# Altium PCB Graviton-RB1.PcbDoc (part 6 of 11)
Units mil, origin at the board's own origin, x right, y up, seen from the top; angles counter-clockwise.
Board outline 7874.02 x 7874.02 mil, 10 copper layers (Top Layer, Internal Plane 1, Signal Layer 1, Internal Plane 2, Signal Layer 2, Signal Layer 3, Internal Plane 3, Signal Layer 4, Internal Plane 4, Bottom Layer), stack 65.914 mil thick; 1299 components, 1517 nets, 7968 pads, 1791 vias.
Unrouted connection lines stored in the file: 4618.
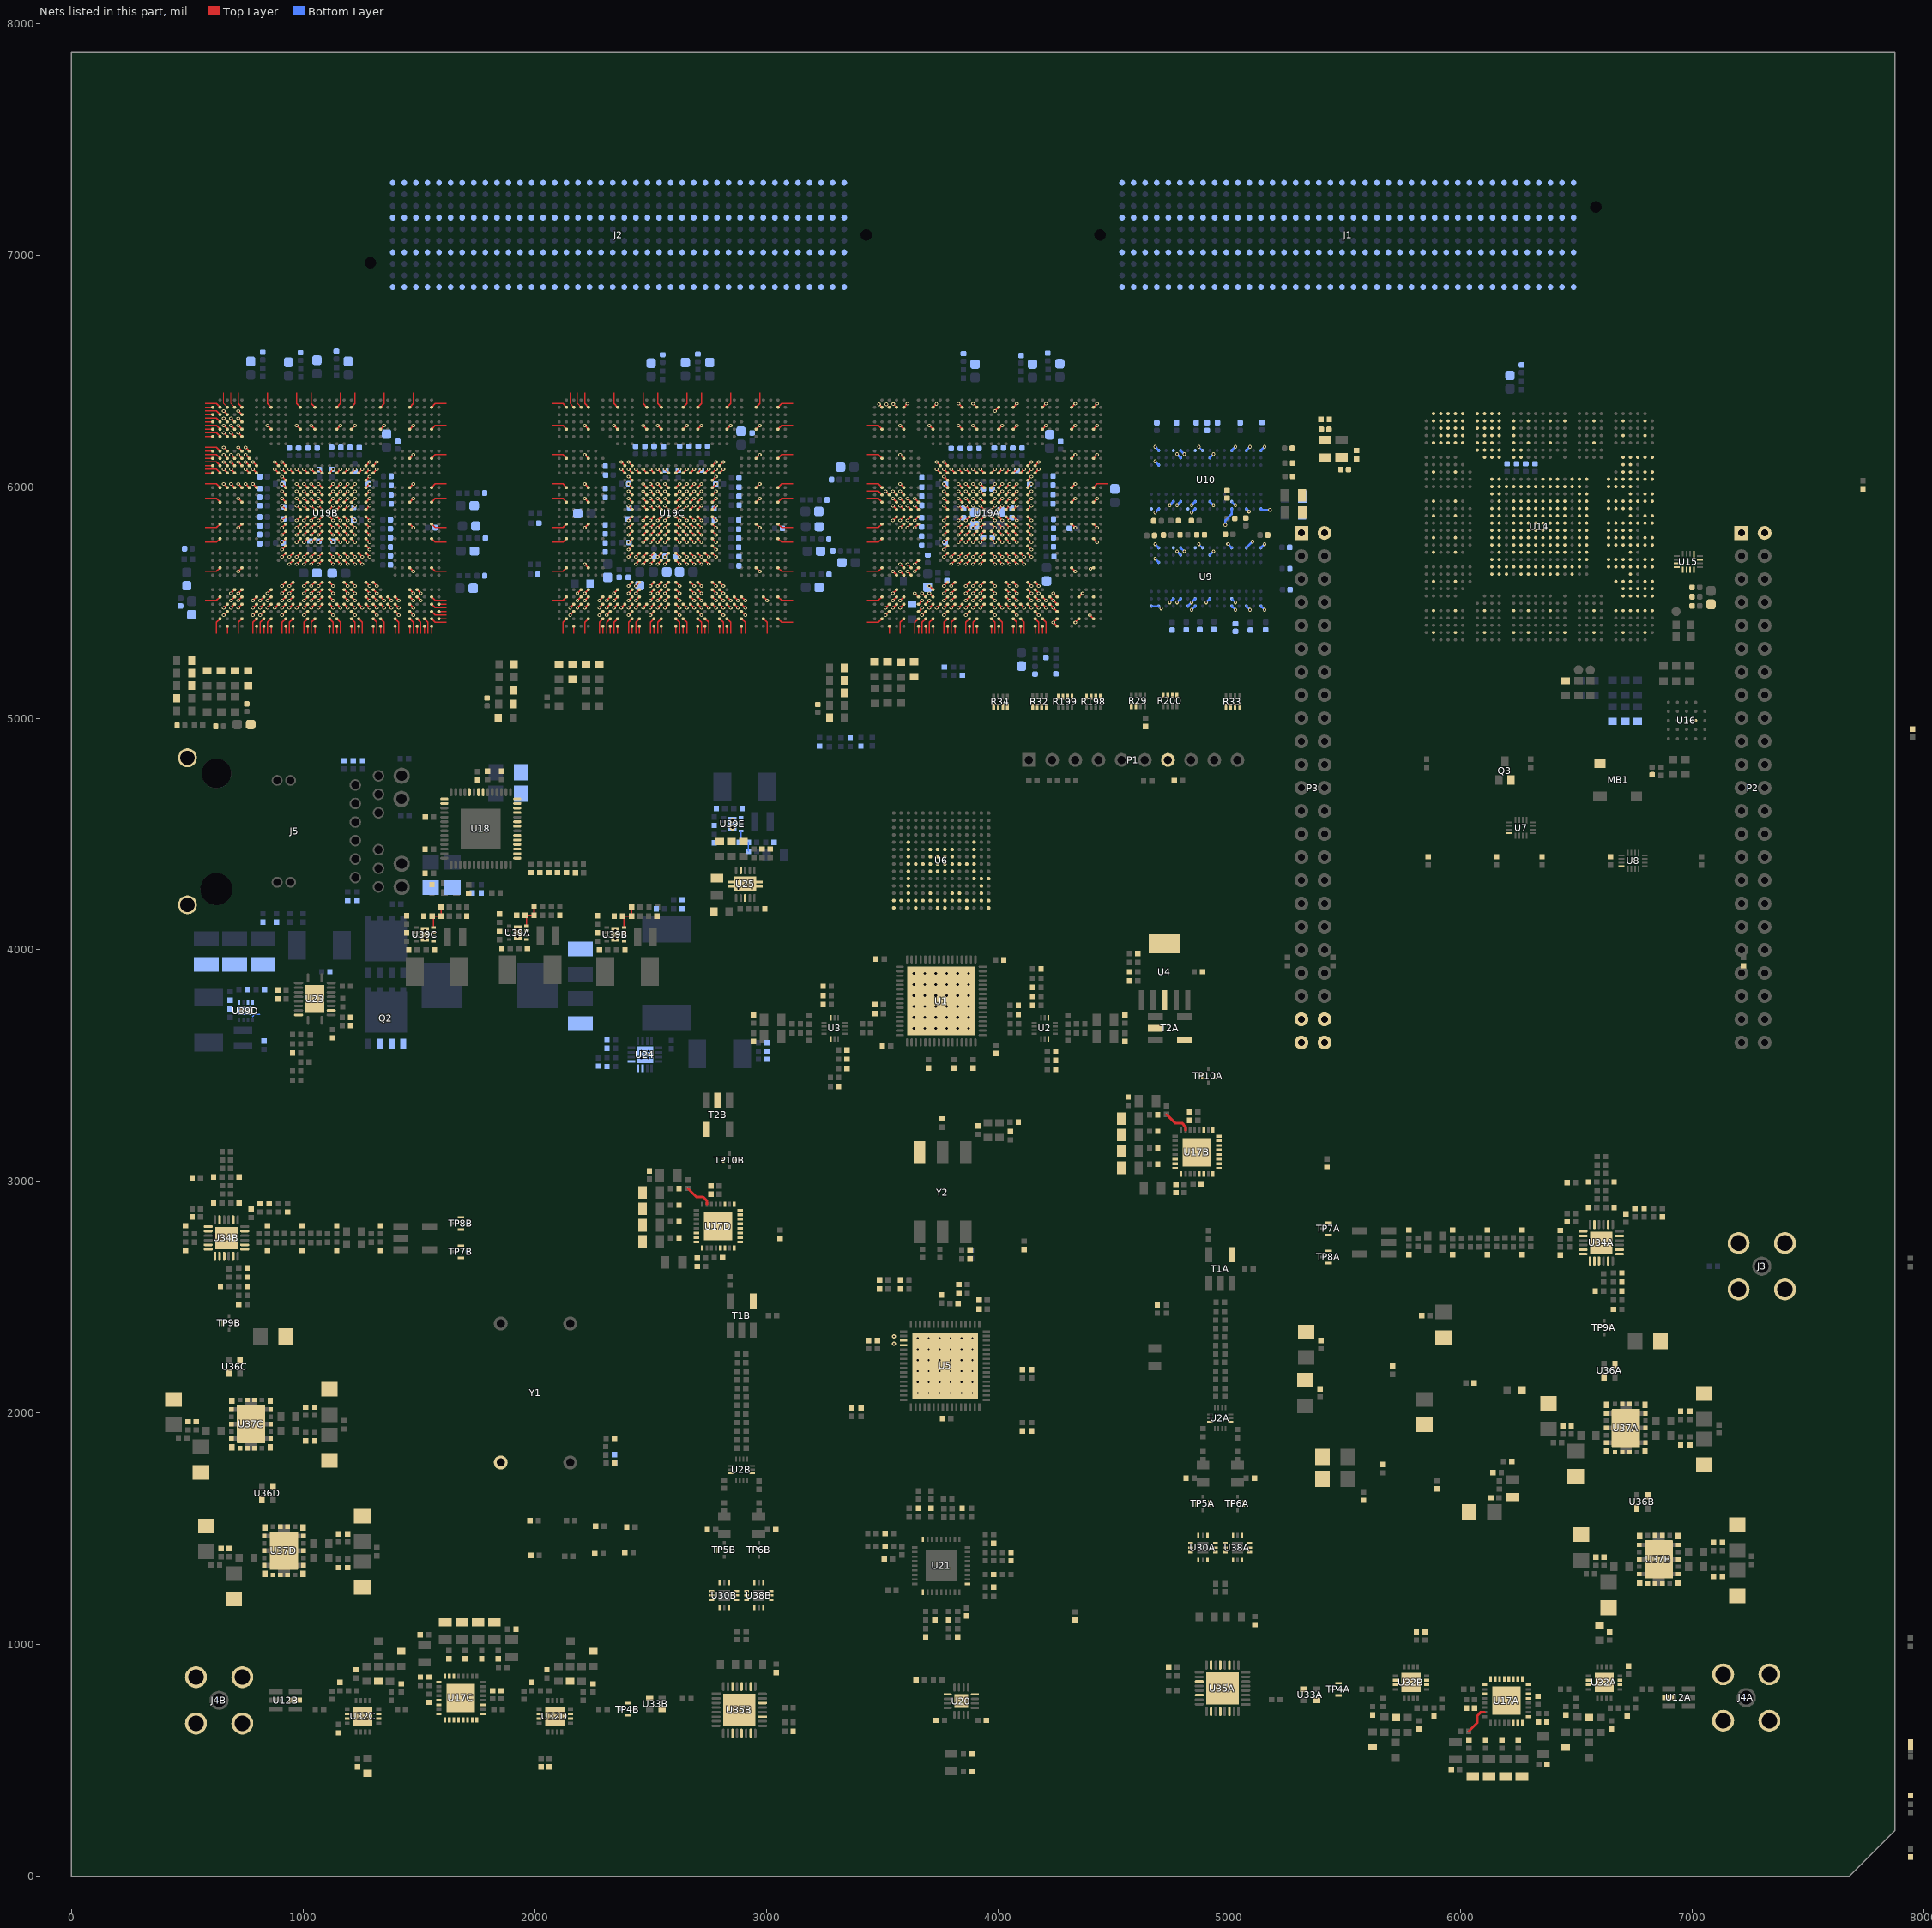
[diagram p14: the nets of this part, all layers, seen from the top]

## Via types
v1: diameter 16, hole 8, Top Layer to Bottom Layer, 1443 vias
v2: diameter 16, hole 8, Top Layer to Bottom Layer, tented top, 173 vias
v3: diameter 18, hole 8, Top Layer to Bottom Layer, 86 vias
v4: diameter 25.98, hole 8, Top Layer to Bottom Layer, tented top, 36 vias
v5: diameter 25.98, hole 12, Top Layer to Bottom Layer, tented top, 36 vias
v6: diameter 23.62, hole 11.81, Top Layer to Bottom Layer, 10 vias
v7: diameter 18, hole 8, Top Layer to Bottom Layer, tented bottom, 5 vias
v8: diameter 16, hole 8, Top Layer to Bottom Layer, tented both sides, 2 vias

## Nets (pads, with @x,y where several pads share a name; then routed paths per layer and width w, separated by ;. In a path a pad name is that pad's centre, name@x,y a point inside that pad or via, vN(x,y) a via of type N, cw(c..) or ccw(c..) an arc to the next point about the centre after c; other vN are vias at no path point) (continued)
DDRCC7.S3B: U19B.C3 | length 22.3
  Top Layer w5: v1(657.48,6326.77) U19B.C3@673.23,6311.02
DDRCC7.S4B: U19B.D4 | length 22.3
  Top Layer w5: v1(688.98,6295.28) U19B.D4@704.72,6279.53
DDRCC7.S5B: U19B.E4 | length 22.3
  Top Layer w5: v1(688.98,6263.78) U19B.E4@704.72,6248.03
DDRCC7.S6B: U19B.F4 | length 22.3
  Top Layer w5: v1(688.98,6232.28) U19B.F4@704.72,6216.54
DDRCC7.S7B: U19B.F5 | length 22.3
  Top Layer w5: v1(720.47,6232.28) U19B.F5@736.22,6216.54
DDRCC7.S8B: U19B.B1 | length 32.1
  Top Layer w4.72: 578.15,6342.52 U19B.B1@610.24,6342.52
DDRCC7.S9B: U19B.C2 | length 70.1
  Top Layer w4.72: 578.15,6326.77 625.98,6326.77 U19B.C2@641.73,6311.02
DDRCC7.S10B: U19B.D3 | length 22.3
  Top Layer w5: v1(657.48,6295.28) U19B.D3@673.23,6279.53
DDRCC7.S11B: U19B.D2 | length 70.1
  Top Layer w4.72: 578.15,6295.28 625.98,6295.28 U19B.D2@641.73,6279.53
DDRCC7.S12B: U19B.F3 | length 22.3
  Top Layer w5: v1(657.48,6232.28) U19B.F3@673.23,6216.54
DDRCC7.S13B: U19B.E3 | length 22.3
  Top Layer w5: v1(657.48,6263.78) U19B.E3@673.23,6248.03
DDRCC7.S14B: U19B.C1 | length 32.1
  Top Layer w4.72: 578.15,6311.02 U19B.C1@610.24,6311.02
DDRCC7.S15B: U19B.D1 | length 32.1
  Top Layer w4.72: 578.15,6279.53 U19B.D1@610.24,6279.53
DDRCC7.S16B: U19B.F2 | length 70.1
  Top Layer w4.72: 578.15,6232.28 625.98,6232.28 U19B.F2@641.73,6216.54
DDRCC7.S17B: U19B.E1 | length 32.1
  Top Layer w4.72: 578.15,6248.03 U19B.E1@610.24,6248.03
DDRCC7.S18B: U19B.F1 | length 32.1
  Top Layer w4.72: 578.15,6216.54 U19B.F1@610.24,6216.54
DDRCC7.S19B: U19B.H1 | length 32.1
  Top Layer w4.72: 578.15,6153.54 U19B.H1@610.24,6153.54
DDRCC7.S20B: U19B.H2 | length 70.1
  Top Layer w4.72: 578.15,6169.29 625.98,6169.29 U19B.H2@641.73,6153.54
DDRCC7.S21B: U19B.H3 | length 22.3
  Top Layer w5: v1(657.48,6169.29) U19B.H3@673.23,6153.54
DDRCC7.S22B: U19B.J3 | length 22.3
  Top Layer w5: v1(657.48,6137.8) U19B.J3@673.23,6122.05
DDRCC7.S23B: U19B.K3 | length 22.3
  Top Layer w5: v1(657.48,6106.3) U19B.K3@673.23,6090.55
DDRCC7.S24B: U19B.K2 | length 70.1
  Top Layer w4.72: 578.15,6106.3 625.98,6106.3 U19B.K2@641.73,6090.55
DDRCC7.S25B: U19B.J1 | length 32.1
  Top Layer w4.72: 578.15,6122.05 U19B.J1@610.24,6122.05
DDRCC7.S26B: U19B.K1 | length 32.1
  Top Layer w4.72: 578.15,6090.55 U19B.K1@610.24,6090.55
DDRCC7.S27B: U19B.L1 | length 32.1
  Top Layer w4.72: 578.15,6059.06 U19B.L1@610.24,6059.06
DDRCC7.S28B: U19B.L2 | length 70.1
  Top Layer w4.72: 578.15,6074.8 625.98,6074.8 U19B.L2@641.73,6059.06
DDRCC7.S29B: U19B.L3 | length 22.3
  Top Layer w5: v1(657.48,6074.8) U19B.L3@673.23,6059.06
DDRCC7.S30B: U19B.J4 | length 22.3
  Top Layer w5: v1(688.98,6137.8) U19B.J4@704.72,6122.05
DDRCC7.S31B: U19B.K4 | length 22.3
  Top Layer w5: v1(688.98,6106.3) U19B.K4@704.72,6090.55
DDRCC7.S32B: U19B.H6 | length 22.3
  Top Layer w5: v1(751.97,6169.29) U19B.H6@767.72,6153.54
DDRCC7.S33B: U19B.H5 | length 22.3
  Top Layer w5: v1(720.47,6169.29) U19B.H5@736.22,6153.54
DDRCC7.S34B: U19B.J6 | length 22.3
  Top Layer w5: v1(751.97,6137.8) U19B.J6@767.72,6122.05
DDRCC7.S35B: U19B.K6 | length 22.3
  Top Layer w5: v1(751.97,6106.3) U19B.K6@767.72,6090.55
DDRCC7.S36B: U19B.K7 | length 22.3
  Top Layer w5: v1(783.46,6106.3) U19B.K7@799.21,6090.55
DDRCC7.S37B: U19B.K5 | length 22.3
  Top Layer w5: v1(720.47,6106.3) U19B.K5@736.22,6090.55
DDRCC7.S38B: U19B.L4 | length 22.3
  Top Layer w5: v1(688.98,6074.8) U19B.L4@704.72,6059.06
DDRCC7.S39B: U19B.N3 | length 22.3
  Top Layer w5: v1(657.48,6011.81) U19B.N3@673.23,5996.06
DDRCC7.S40B: U19B.N4 | length 22.3
  Top Layer w5: v1(688.98,6011.81) U19B.N4@704.72,5996.06
DDRCC7.S41B: U19B.L7 | length 22.3
  Top Layer w5: v1(783.46,6074.8) U19B.L7@799.21,6059.06
DDRCC7.S42B: U19B.L6 | length 22.3
  Top Layer w5: v1(751.97,6074.8) U19B.L6@767.72,6059.06
DDRCC7.S43B: U19B.N6 | length 22.3
  Top Layer w5: v1(751.97,6011.81) U19B.N6@767.72,5996.06
DDRCC7.S44B: U19B.N7 | length 22.3
  Top Layer w5: v1(783.46,6011.81) U19B.N7@799.21,5996.06
DDRCC7.S45B: U19B.C5 | length 22.3
  Top Layer w5: v1(720.47,6326.77) U19B.C5@736.22,6311.02
DDRCC7.S46B: U19B.D5 | length 22.3
  Top Layer w5: v1(720.47,6295.28) U19B.D5@736.22,6279.53
DDRVREF: C127.2 C128.2 C133.2 C136.2 C148.2 C150.2 R36.1 R113.2 U9.H1 U9.M8 U10.H1 U10.M8
  other v2: 5026,5499.75 4868.5,5751.75 5026,5919.75 4868.5,6171.75
DDRVTT: C134.2 C137.2 R29.5 R29.6 R32.5 R32.6 R32.7 R32.8 R33.5 R33.6 R33.7 R33.8 R34.5 R34.6 R34.7 R34.8 R36.2 R37.1 R198.5 R198.6 R198.7 R198.8 R199.5 R199.6 R199.7 R199.8 R200.5 R200.6 R200.7 R200.8
DSA-CTRL0.D3: FB9A.2 U19B.AM28 | length 32.1
  Top Layer w4.72: 1460.63,5365.55 U19B.AM28@1460.63,5397.64
DSA-CTRL0.D4: FB8A.2 U19B.AM29 | length 32.1
  Top Layer w4.72: 1492.13,5365.55 U19B.AM29@1492.13,5397.64
DSA-CTRL0.D5: FB7A.2 U19B.AL28 | length 70.1
  Top Layer w4.72: U19B.AL28@1460.63,5429.13 1476.38,5413.39 1476.38,5365.55
DSA-CTRL0.D6: FB6A.2 U19B.AK28 | length 22.3
  Top Layer w5: U19B.AK28@1460.63,5460.63 v1(1476.38,5444.88)
DSA-CTRL1.D3: FB9B.2 U19B.AK32 | length 32.1
  Top Layer w4.72: U19B.AK32@1586.61,5460.63 1618.7,5460.63
DSA-CTRL1.D4: FB8B.2 U19B.AJ32 | length 32.1
  Top Layer w4.72: U19B.AJ32@1586.61,5492.13 1618.7,5492.13
DSA-CTRL1.D5: FB7B.2 U19B.AM30 | length 32.1
  Top Layer w4.72: 1523.62,5365.55 U19B.AM30@1523.62,5397.64
DSA-CTRL1.D6: FB6B.2 U19B.AL30 | length 70.1
  Top Layer w4.72: U19B.AL30@1523.62,5429.13 1539.37,5413.39 1539.37,5365.55
DSA-CTRL2.D3: FB9C.2 U19B.AK31 | length 70.1
  Top Layer w4.72: U19B.AK31@1555.12,5460.63 1570.87,5444.88 1618.7,5444.88
DSA-CTRL2.D4: FB8C.2 U19B.AJ31 | length 70.1
  Top Layer w4.72: U19B.AJ31@1555.12,5492.13 1570.87,5476.38 1618.7,5476.38
DSA-CTRL2.D5: FB7C.2 U19B.AM31 | length 32.1
  Top Layer w4.72: 1555.12,5365.55 U19B.AM31@1555.12,5397.64
DSA-CTRL2.D6: FB6C.2 U19B.AL32 | length 32.1
  Top Layer w4.72: U19B.AL32@1586.61,5429.13 1618.7,5429.13
DSA-CTRL3.D3: FB9D.2 U19B.AG28 | length 22.3
  Top Layer w5: U19B.AG28@1460.63,5555.12 v1(1476.38,5539.37)
DSA-CTRL3.D4: FB8D.2 U19B.AG29 | length 22.3
  Top Layer w5: U19B.AG29@1492.13,5555.12 v1(1507.87,5539.37)
DSA-CTRL3.D5: FB7D.2 U19B.AJ28 | length 22.3
  Top Layer w5: U19B.AJ28@1460.63,5492.13 v1(1476.38,5476.38)
DSA-CTRL3.D6: FB6D.2 U19B.AH28 | length 22.3
  Top Layer w5: U19B.AH28@1460.63,5523.62 v1(1476.38,5507.87)
ENET2-DDRCC6.S0: U18.46 U19A.P5 | length 22.3
  Top Layer w5: v1(3578.74,5980.32) U19A.P5@3594.49,5964.57
ENET2-DDRCC6.S1: U19A.P4 | length 22.3
  Top Layer w5: v1(3547.24,5980.32) U19A.P4@3562.99,5964.57
ENET2-DDRCC6.S2: U18.43 U19A.R7 | length 22.3
  Top Layer w5: v1(3641.73,5948.82) U19A.R7@3657.48,5933.07
ENET2-DDRCC6.S3: U18.44 U19A.T7 | length 22.3
  Top Layer w5: v1(3641.73,5917.32) U19A.T7@3657.48,5901.57
ENET2-DDRCC6.S4: U18.45 U19A.R6 | length 22.3
  Top Layer w5: v1(3610.24,5948.82) U19A.R6@3625.98,5933.07
ENET2-DDRCC6.S5: U18.47 U19A.T6 | length 22.3
  Top Layer w5: v1(3610.24,5917.32) U19A.T6@3625.98,5901.57
ENET2-DDRCC6.S6: U18.48 U19A.U6 | length 22.3
  Top Layer w5: v1(3610.24,5854.33) U19A.U6@3625.98,5870.08
ENET2-DDRCC6.S7: U18.50 U19A.U7 | length 22.3
  Top Layer w5: v1(3641.73,5854.33) U19A.U7@3657.48,5870.08
ENET2-DDRCC6.S8: U18.51 U19A.R4 | length 22.3
  Top Layer w5: v1(3547.24,5948.82) U19A.R4@3562.99,5933.07
ENET2-DDRCC6.S9: U18.53 U19A.T5 | length 22.3
  Top Layer w5: v1(3578.74,5917.32) U19A.T5@3594.49,5901.57
ENET2-DDRCC6.S10: U18.54 U19A.T4 | length 22.3
  Top Layer w5: v1(3547.24,5917.32) U19A.T4@3562.99,5901.57
ENET2-DDRCC6.S11: U18.55 U19A.U5 | length 22.3
  Top Layer w5: v1(3578.74,5854.33) U19A.U5@3594.49,5870.08
ENET2-DDRCC6.S12: U18.56 U19A.U4 | length 22.3
  Top Layer w5: v1(3547.24,5854.33) U19A.U4@3562.99,5870.08
ENET2-DDRCC6.S13: U18.16 U19A.V6 | length 22.3
  Top Layer w5: v1(3610.24,5822.83) U19A.V6@3625.98,5838.58
ENET2-DDRCC6.S14: R66.1 U18.8 U19A.V7 | length 22.3
  Top Layer w5: v1(3641.73,5822.83) U19A.V7@3657.48,5838.58
ENET2-DDRCC6.S15: U18.7 U19A.P2 | length 70.1
  Top Layer w4.72: 3436.42,5980.32 3484.25,5980.32 U19A.P2@3500,5964.57
ENET2-DDRCC6.S16: U18.15 U19A.P3 | length 22.3
  Top Layer w5: v1(3515.75,5980.32) U19A.P3@3531.5,5964.57
ENET2-DDRCC6.S41: U19A.AC7 | length 22.3
  Top Layer w5: v1(3641.73,5665.35) U19A.AC7@3657.48,5681.1
ENET2-DDRCC6.S42: U19A.AD7 | length 22.3
  Top Layer w5: v1(3641.73,5633.86) U19A.AD7@3657.48,5649.61
ENET2-DDRCC6.S43: U19A.AD6 | length 22.3
  Top Layer w5: v1(3610.24,5665.35) U19A.AD6@3625.98,5649.61
ENET2-DDRCC6.S44: U19A.AE6 | length 22.3
  Top Layer w5: v1(3610.24,5633.86) U19A.AE6@3625.98,5618.11
ENET2-DDRCC6.S45: U19A.AE5 | length 22.3
  Top Layer w5: v1(3578.74,5633.86) U19A.AE5@3594.49,5618.11
ENET2-DDRCC6.S46: U19A.AE4 | length 22.3
  Top Layer w5: v1(3547.24,5633.86) U19A.AE4@3562.99,5618.11
FBA: C365.1 R115.1 R117.2 U39A.4 | length 118.7
  Top Layer w5.98: R117.2@1958.86,4149.61 R115.1@1997.83,4149.61 C365.1@1997.83,4188.98 ; U39A.4@1965.12,4102.99 R117.2@1965.12,4143.35
FBB: C377.2 R122.2 R124.1 U39B.4 | length 125.2
  Top Layer w5.98: R124.1@2380.12,4145.67 R122.2@2419.09,4145.67 C377.2@2419.09,4185.04 ; U39B.4@2386.38,4096.1 R124.1@2386.38,4142.95
FBC: C364.1 R114.1 R116.2 U39C.4 | length 121.7
  Top Layer w5.98: R116.2@1557.28,4145.67 R114.1@1596.26,4145.67 C364.1@1596.26,4185.04 ; U39C.4@1563.54,4096.1 R116.2@1563.54,4139.41
FBD: C378.1 R123.1 R126.2 U39D.4 | length 35.4
  Bottom Layer w5.98: 782.13,3712.05 791.97,3721.89 813.43,3721.89
FBE: C328.1 R88.1 R90.2 U39E.4 | length 119.9
  Bottom Layer w5.98: R90.2@2884.06,4464.57 R88.1@2923.03,4464.57 C328.1@2923.03,4425.2 ; R90.2@2891.73,4472.24 U39E.4@2891.73,4513.78
FPGA-CLK0_N: U13.14 U19C.B4 | length 70.1
  Top Layer w2.99: 2185.04,6406.1 2185.04,6358.27 U19C.B4@2200.79,6342.52
FPGA-CLK0_P: U13.15 U19C.B3 | length 70.1
  Top Layer w2.99: 2153.54,6406.1 2153.54,6358.27 U19C.B3@2169.29,6342.52
FPGA-CLK1_N: U13.11 U19B.B4 | length 70.1
  Top Layer w2.99: 688.98,6406.1 688.98,6358.27 U19B.B4@704.72,6342.52
FPGA-CLK1_P: U13.12 U19B.B3 | length 70.1
  Top Layer w2.99: 657.48,6406.1 657.48,6358.27 U19B.B3@673.23,6342.52
FPGA-CLK2_N: U13.9 U19A.B4 | length 19.8
  Top Layer w2.99: v1(3549,6356.51) U19A.B4@3562.99,6342.52
FPGA-CLK2_P: U13.10 U19A.B3 | length 17.6
  Top Layer w2.99: v1(3519.02,6355) U19A.B3@3531.5,6342.52
FPGA-CLK-SRC_N: U5.52 U13.1
  other v3: 3551.18,2299.21
FPGA-CLK-SRC_P: U5.51 U13.4
  other v3: 3551.18,2330.71
FPGA-JTAG-TCK-3V3: U14.AK5 U15.9
FPGA-JTAG-TDI-3V3: U14.AJ5 U15.11
FPGA-JTAG-TDO-3V3: R42.1 U14.AG5 U15.12
FPGA-JTAG-TMS-3V3: U14.AM5 U15.10
FPGA-JTAG.TDIA: R70A.1 R71B.1 U19A.AJ5 U19B.AG5 | length 44.5
  Top Layer w5: v1(720.47,5539.37) U19B.AG5@736.22,5555.12 ; v1(3578.74,5476.38) U19A.AJ5@3594.49,5492.13
FPGA-JTAG.TDIB: R70B.1 R71C.1 U19B.AJ5 U19C.AG5 | length 44.5
  Top Layer w5: v1(720.47,5476.38) U19B.AJ5@736.22,5492.13 ; v1(2216.54,5539.37) U19C.AG5@2232.28,5555.12
FPGA-JTAG.TDO: R70C.1 U15.1 U19C.AJ5 | length 22.3
  Top Layer w5: v1(2216.54,5476.38) U19C.AJ5@2232.28,5492.13
FPGACFG0.CCLK: R76C.2 U14.C30 U19C.AM3 | length 32.1
  Top Layer w4.72: 2169.29,5365.55 U19C.AM3@2169.29,5397.64
FPGACFG0.DI: U14.D29 U19C.AJ3 | length 22.3
  Top Layer w5: v1(2153.54,5476.38) U19C.AJ3@2169.29,5492.13
FPGACFG0.DONE: U14.C29 U19C.AJ4 | length 22.3
  Top Layer w5: v1(2185.04,5476.38) U19C.AJ4@2200.79,5492.13
FPGACFG0.DOUT: U14.E29 U19C.AK3 | length 22.3
  Top Layer w5: v1(2153.54,5444.88) U19C.AK3@2169.29,5460.63
FPGACFG0.INITN: R67C.1 U14.D28 U19C.AG4 | length 22.3
  Top Layer w5: v1(2185.04,5539.37) U19C.AG4@2200.79,5555.12
FPGACFG0.PROGN: R69C.1 U14.C28 U19C.AH4 | length 22.3
  Top Layer w5: v1(2185.04,5507.87) U19C.AH4@2200.79,5523.62
FPGACFG1.CCLK: R76B.2 U14.C31 U19B.AM3 | length 32.1
  Top Layer w4.72: 673.23,5365.55 U19B.AM3@673.23,5397.64
FPGACFG1.DI: U14.D30 U19B.AJ3 | length 22.3
  Top Layer w5: v1(657.48,5476.38) U19B.AJ3@673.23,5492.13
FPGACFG1.DONE: U14.B32 U19B.AJ4 | length 22.3
  Top Layer w5: v1(688.98,5476.38) U19B.AJ4@704.72,5492.13
FPGACFG1.DOUT: U14.D31 U19B.AK3 | length 22.3
  Top Layer w5: v1(657.48,5444.88) U19B.AK3@673.23,5460.63
FPGACFG1.INITN: R67B.1 U14.F28 U19B.AG4 | length 22.3
  Top Layer w5: v1(688.98,5539.37) U19B.AG4@704.72,5555.12
FPGACFG1.PROGN: R69B.1 U14.F29 U19B.AH4 | length 22.3
  Top Layer w5: v1(688.98,5507.87) U19B.AH4@704.72,5523.62
FPGACFG2.CCLK: R76A.2 U14.D32 U19A.AM3 | length 32.1
  Top Layer w4.72: 3531.5,5365.55 U19A.AM3@3531.5,5397.64
FPGACFG2.DI: U14.F31 U19A.AJ3 | length 22.3
  Top Layer w5: v1(3515.75,5476.38) U19A.AJ3@3531.5,5492.13
FPGACFG2.DONE: U14.C32 U19A.AJ4 | length 22.3
  Top Layer w5: v1(3547.24,5476.38) U19A.AJ4@3562.99,5492.13
FPGACFG2.DOUT: U14.E32 U19A.AK3 | length 22.3
  Top Layer w5: v1(3515.75,5444.88) U19A.AK3@3531.5,5460.63
FPGACFG2.INITN: R67A.1 U14.E30 U19A.AG4 | length 22.3
  Top Layer w5: v1(3547.24,5539.37) U19A.AG4@3562.99,5555.12
FPGACFG2.PROGN: R69A.1 U14.F30 U19A.AH4 | length 22.3
  Top Layer w5: v1(3547.24,5507.87) U19A.AH4@3562.99,5523.62
FPGACFG3.CCLK: U14.H30
FPGACFG3.DI: U14.J30
FPGACFG3.DONE: U14.H31
FPGACFG3.DOUT: U14.K30
FPGACFG3.INITN: U14.H32
FPGACFG3.PROGN: U14.F32
FPGACFG4.CCLK: U14.L32
FPGACFG4.DI: U14.L31
FPGACFG4.DONE: U14.K32
FPGACFG4.DOUT: U14.L30
FPGACFG4.INITN: U14.J32
FPGACFG4.PROGN: U14.K31
FPGACFG5.CCLK: U14.H28
FPGACFG5.DI: U14.J26
FPGACFG5.DONE: U14.H27
FPGACFG5.DOUT: U14.J27
FPGACFG5.INITN: U14.K29
FPGACFG5.PROGN: U14.J29
FPGACFG6.CCLK: U14.L29
FPGACFG6.DI: U14.N30
FPGACFG6.DONE: U14.K28
FPGACFG6.DOUT: U14.N29
FPGACFG6.INITN: U14.K26
FPGACFG6.PROGN: U14.K27
FPGACFG7.CCLK: U14.N26
FPGACFG7.DI: U14.P27
FPGACFG7.DONE: U14.N27
FPGACFG7.DOUT: U14.P26
FPGACFG7.INITN: U14.L27
FPGACFG7.PROGN: U14.L26